# KiCad board LightRail_LPO_1.6T.kicad_pcb (continued)
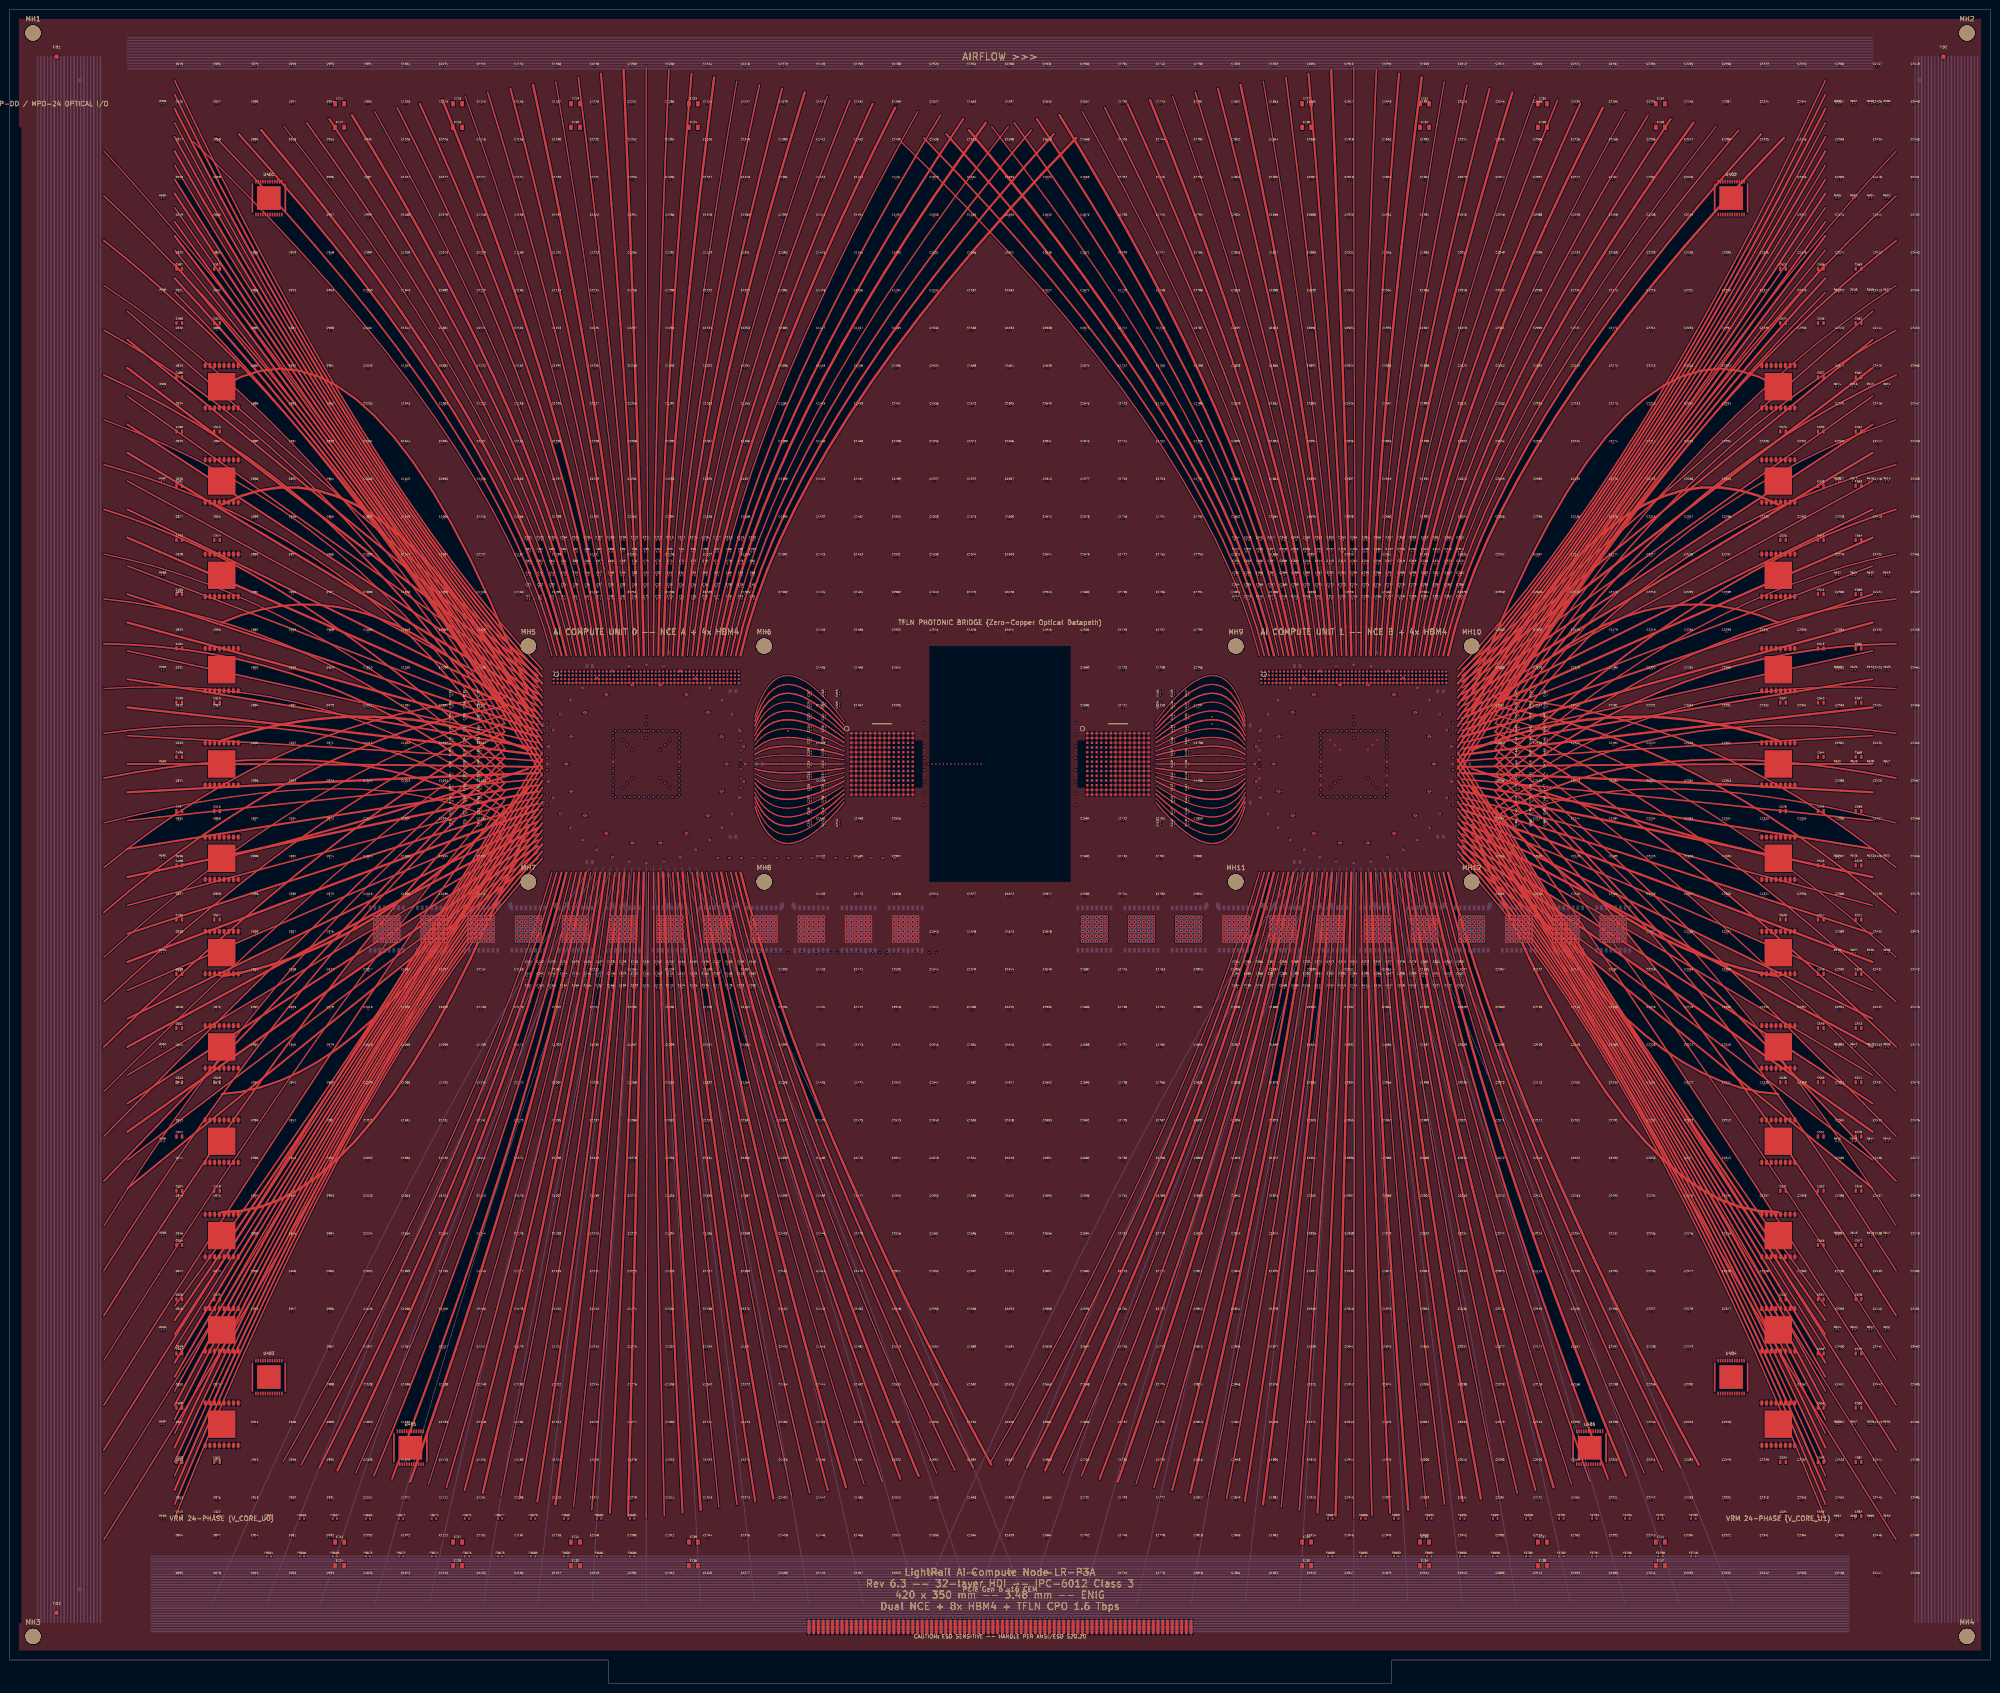
[diagram p0: board, top side]
## Routing (per net, layer and track width the routed paths; a pad name or vN(x,y) marks a point on that pad's centre or on a via; arc(x,y) is an arc through that point) (continued)
(no net): length 117315.3
  Top w0.2: 158,187 158.66,185.32 159.39,183.86 160.19,182.64 161.06,181.65 162,180.89 163.02,180.36 164.1,180.07 165.25,180 166.47,180.17 167.77,180.56 169.13,181.19 170.56,182.05 172.07,183.14 173.64,184.46 175.28,186.02 177,187.8 ; 243,198.6 244.72,199.49 246.36,200.27 247.93,200.93 249.44,201.47 250.87,201.91 252.23,202.22 253.53,202.42 254.75,202.5 255.9,202.47 256.98,202.32 258,202.06 258.94,201.68 259.81,201.18 260.61,200.57 261.34,199.84 262,199 ; 177,195.9 175.28,196.12 173.64,196.32 172.07,196.48 170.56,196.62 169.13,196.73 167.77,196.81 166.47,196.85 165.25,196.88 164.1,196.87 163.02,196.83 162,196.76 161.06,196.67 160.19,196.54 159.39,196.39 158.66,196.21 158,196 ; 262,202 261.34,203.47 260.61,204.75 259.81,205.81 258.94,206.68 258,207.35 256.98,207.81 255.9,208.07 254.75,208.12 253.53,207.98 252.23,207.63 250.87,207.08 249.44,206.33 247.93,205.38 246.36,204.22 244.72,202.86 243,201.3 ; 243,195.9 244.72,196.12 246.36,196.32 247.93,196.48 249.44,196.62 250.87,196.73 252.23,196.81 253.53,196.85 254.75,196.88 255.9,196.87 256.98,196.83 258,196.76 258.94,196.67 259.81,196.54 260.61,196.39 261.34,196.21 262,196 ; 262,205 261.34,207.1 260.61,208.92 259.81,210.45 258.94,211.69 258,212.64 256.98,213.3 255.9,213.67 254.75,213.75 253.53,213.54 252.23,213.05 250.87,212.26 249.44,211.19 247.93,209.82 246.36,208.17 244.72,206.23 243,204 ; 158,193 158.66,192.58 159.39,192.22 160.19,191.91 161.06,191.66 162,191.47 163.02,191.34 164.1,191.27 165.25,191.25 166.47,191.29 167.77,191.39 169.13,191.55 170.56,191.76 172.07,192.03 173.64,192.37 175.28,192.75 177,193.2 ; 158,190 158.66,188.95 159.39,188.04 160.19,187.28 161.06,186.66 162,186.18 163.02,185.85 164.1,185.67 165.25,185.62 166.47,185.73 167.77,185.98 169.13,186.37 170.56,186.91 172.07,187.59 173.64,188.41 175.28,189.38 177,190.5 ; 243,187.8 244.72,186.02 246.36,184.46 247.93,183.14 249.44,182.05 250.87,181.19 252.23,180.56 253.53,180.17 254.75,180 255.9,180.07 256.98,180.36 258,180.89 258.94,181.65 259.81,182.64 260.61,183.86 261.34,185.32 262,187 ; 177,204 175.28,206.23 173.64,208.17 172.07,209.82 170.56,211.19 169.13,212.26 167.77,213.05 166.47,213.54 165.25,213.75 164.1,213.67 163.02,213.3 162,212.64 161.06,211.69 160.19,210.45 159.39,208.92 158.66,207.1 158,205 ; 262,190 261.34,188.95 260.61,188.04 259.81,187.28 258.94,186.66 258,186.18 256.98,185.85 255.9,185.67 254.75,185.62 253.53,185.73 252.23,185.98 250.87,186.37 249.44,186.91 247.93,187.59 246.36,188.41 244.72,189.38 243,190.5 ; 243,193.2 244.72,192.75 246.36,192.37 247.93,192.03 249.44,191.76 250.87,191.55 252.23,191.39 253.53,191.29 254.75,191.25 255.9,191.27 256.98,191.34 258,191.47 258.94,191.66 259.81,191.91 260.61,192.22 261.34,192.58 262,193 ; 177,198.6 175.28,199.49 173.64,200.27 172.07,200.93 170.56,201.47 169.13,201.91 167.77,202.22 166.47,202.42 165.25,202.5 164.1,202.47 163.02,202.32 162,202.06 161.06,201.68 160.19,201.18 159.39,200.57 158.66,199.84 158,199 ; 158,202 158.66,203.47 159.39,204.75 160.19,205.81 161.06,206.68 162,207.35 163.02,207.81 164.1,208.07 165.25,208.12 166.47,207.98 167.77,207.63 169.13,207.08 170.56,206.33 172.07,205.38 173.64,204.22 175.28,202.86 177,201.3
  Top w0.25: 243,197.7 244.72,198.37 246.36,198.95 247.93,199.45 249.44,199.86 250.87,200.18 252.23,200.41 253.53,200.56 254.75,200.62 255.9,200.6 256.98,200.49 258,200.29 258.94,200.01 259.81,199.63 260.61,199.18 261.34,198.63 262,198 ; 20,125.5 26.48,131.91 32.81,138.09 38.98,144.04 45,149.75 50.86,155.23 56.56,160.47 62.11,165.48 67.5,170.25 72.73,174.79 77.81,179.09 82.73,183.16 87.5,187 92.11,190.6 96.56,193.97 100.86,197.1 105,200 ; 293.72,218 294.31,223.97 295.07,230.13 296,236.49 297.1,243.04 298.37,249.78 299.81,256.71 301.41,263.83 303.18,271.15 305.12,278.66 307.23,286.36 309.5,294.25 311.94,302.34 314.56,310.62 317.34,319.08 320.28,327.75 323.4,336.6 ; 177,189.6 175.28,188.26 173.64,187.1 172.07,186.1 170.56,185.29 169.13,184.64 167.77,184.17 166.47,183.87 165.25,183.75 164.1,183.8 163.02,184.02 162,184.42 161.06,184.99 160.19,185.73 159.39,186.65 158.66,187.74 158,189 ; 20,154 25.61,158.97 31.17,163.71 36.7,168.21 42.19,172.47 47.64,176.51 53.05,180.31 58.42,183.87 63.75,187.2 69.04,190.29 74.3,193.16 79.51,195.78 84.69,198.18 89.82,200.33 94.92,202.26 99.98,203.94 105,205.4 ; 119.6,37.4 120.63,47.61 121.62,57.57 122.58,67.3 123.49,76.79 124.36,86.04 125.2,95.05 126,103.82 126.75,112.35 127.47,120.64 128.15,128.7 128.79,136.51 129.39,144.09 129.96,151.42 130.48,158.52 130.96,165.38 131.41,172 ; 139.62,218 139.88,223.98 140.23,230.18 140.67,236.6 141.2,243.24 141.81,250.09 142.5,257.16 143.28,264.45 144.15,271.95 145.11,279.67 146.15,287.61 147.28,295.76 148.49,304.14 149.79,312.73 151.17,321.53 152.64,330.56 154.2,339.8 ; 265.8,339.8 267.36,330.56 268.84,321.53 270.25,312.73 271.58,304.14 272.82,295.76 274,287.61 275.09,279.67 276.1,271.95 277.04,264.45 277.9,257.16 278.68,250.09 279.38,243.24 280,236.6 280.55,230.18 281.02,223.98 281.41,218 ; 73.4,44.6 77.52,53.93 81.46,63.08 85.24,72.05 88.86,80.84 92.3,89.44 95.58,97.86 98.69,106.1 101.63,114.15 104.4,122.02 107,129.71 109.44,137.22 111.71,144.54 113.81,151.68 115.74,158.63 117.51,165.41 119.1,172 ; 227.4,333.4 232.08,324.93 236.52,316.63 240.71,308.5 244.66,300.54 248.37,292.74 251.84,285.11 255.07,277.65 258.05,270.35 260.79,263.22 263.29,256.26 265.55,249.47 267.56,242.84 269.34,236.38 270.87,230.08 272.16,223.96 273.2,218 ; 269.6,37.4 270.63,47.61 271.62,57.57 272.57,67.3 273.49,76.79 274.36,86.04 275.2,95.05 276,103.82 276.75,112.35 277.47,120.64 278.15,128.7 278.79,136.51 279.39,144.09 279.96,151.42 280.48,158.52 280.96,165.38 281.41,172 ; 20,268 26.78,265.39 33.36,262.56 39.75,259.48 45.94,256.18 51.93,252.63 57.73,248.86 63.34,244.84 68.75,240.6 73.97,236.12 78.98,231.41 83.81,226.46 88.44,221.28 92.87,215.86 97.11,210.21 101.15,204.32 105,198.2 ; 151.92,218 153.17,223.95 154.76,230.03 156.67,236.26 158.92,242.64 161.5,249.15 164.41,255.81 167.66,262.61 171.23,269.55 175.14,276.63 179.38,283.86 183.95,291.23 188.86,298.74 194.09,306.39 199.66,314.18 205.57,322.12 211.8,330.2 ; 400,268 393.22,265.39 386.64,262.56 380.25,259.48 374.06,256.18 368.07,252.63 362.27,248.86 356.66,244.84 351.25,240.6 346.04,236.12 341.02,231.41 336.19,226.46 331.56,221.28 327.13,215.86 322.89,210.21 318.85,204.32 315,198.2 ; 285.51,172 285.45,165.37 285.39,158.48 285.34,151.34 285.29,143.94 285.24,136.28 285.2,128.36 285.16,120.18 285.13,111.75 285.1,103.06 285.07,94.11 285.05,84.9 285.03,75.44 285.02,65.71 285.01,55.73 285,45.5 285,35 ; 400,296.5 394.1,292.45 388.28,288.17 382.54,283.65 376.88,278.9 371.29,273.91 365.78,268.69 360.35,263.24 355,257.55 349.73,251.63 344.53,245.47 339.41,239.08 334.38,232.45 329.41,225.59 324.53,218.49 319.73,211.16 315,203.6 ; 289.62,218 289.88,223.98 290.23,230.18 290.67,236.6 291.2,243.24 291.81,250.09 292.5,257.16 293.29,264.45 294.15,271.95 295.11,279.67 296.15,287.61 297.28,295.76 298.49,304.14 299.79,312.73 301.17,321.53 302.64,330.56 304.2,339.8 ; 119.1,218 117.73,223.95 116.03,230.03 114,236.26 111.66,242.64 108.99,249.15 105.99,255.81 102.67,262.61 99.03,269.55 95.06,276.63 90.76,283.86 86.15,291.23 81.21,298.74 75.94,306.39 70.35,314.18 64.44,322.12 58.2,330.2 ; 400,125.5 393.52,131.91 387.19,138.09 381.02,144.04 375,149.75 369.14,155.23 363.44,160.47 357.89,165.48 352.5,170.25 347.27,174.79 342.19,179.09 337.27,183.16 332.5,187 327.89,190.6 323.44,193.97 319.14,197.1 315,200 ; 277.31,172 276.48,165.39 275.57,158.56 274.57,151.51 273.5,144.24 272.34,136.75 271.1,129.03 269.78,121.1 268.38,112.95 266.89,104.58 265.32,95.98 263.68,87.17 261.94,78.14 260.13,68.88 258.24,59.41 256.26,49.71 254.2,39.8 ; v3(262,195) 243,195 ; 262,201 261.34,202.26 260.61,203.35 259.81,204.27 258.94,205.01 258,205.58 256.98,205.98 255.9,206.2 254.75,206.25 253.53,206.13 252.23,205.83 250.87,205.36 249.44,204.71 247.93,203.9 246.36,202.9 244.72,201.74 243,200.4 ; 315,194.6 320.61,190.26 326.17,185.68 331.7,180.87 337.19,175.82 342.64,170.54 348.05,165.03 353.42,159.28 358.75,153.3 364.04,147.08 369.3,140.63 374.51,133.94 379.69,127.03 384.82,119.87 389.92,112.48 394.98,104.86 400,97 ; 158,198 158.66,198.63 159.39,199.18 160.19,199.63 161.06,200.01 162,200.29 163.02,200.49 164.1,200.6 165.25,200.62 166.47,200.56 167.77,200.41 169.13,200.18 170.56,199.86 172.07,199.45 173.64,198.95 175.28,198.37 177,197.7 ; 20,211 26.19,211.28 32.27,211.33 38.22,211.15 44.06,210.72 49.78,210.07 55.39,209.18 60.88,208.06 66.25,206.7 71.5,205.11 76.64,203.28 81.66,201.22 86.56,198.93 91.35,196.4 96.02,193.63 100.57,190.63 105,187.4 ; 143.72,172 144.42,165.39 145.22,158.56 146.1,151.51 147.08,144.24 148.14,136.75 149.3,129.03 150.54,121.1 151.88,112.95 153.31,104.58 154.82,95.98 156.43,87.17 158.12,78.14 159.91,68.88 161.78,59.41 163.75,49.71 165.8,39.8 ; 105,189.2 100.27,183.41 95.47,177.39 90.59,171.14 85.62,164.65 80.59,157.93 75.47,150.97 70.27,143.78 65,136.35 59.65,128.69 54.22,120.79 48.71,112.66 43.12,104.3 37.46,95.7 31.72,86.87 25.9,77.8 20,68.5 ; v3(158,195) 177,195 ; 135,35 135,45.5 135.01,55.73 135.02,65.71 135.03,75.44 135.05,84.9 135.07,94.11 135.1,103.06 135.13,111.75 135.16,120.18 135.2,128.36 135.24,136.28 135.29,143.94 135.34,151.34 135.39,158.48 135.45,165.37 135.51,172 ; 158,192 158.66,191.37 159.39,190.82 160.19,190.37 161.06,189.99 162,189.71 163.02,189.51 164.1,189.4 165.25,189.38 166.47,189.44 167.77,189.59 169.13,189.82 170.56,190.14 172.07,190.55 173.64,191.05 175.28,191.63 177,192.3 ; 400,325 394.98,319.51 389.92,313.78 384.82,307.82 379.69,301.62 374.51,295.19 369.3,288.53 364.04,281.63 358.75,274.5 353.42,267.13 348.05,259.53 342.64,251.69 337.19,243.62 331.7,235.32 326.17,226.78 320.61,218.01 315,209 ; 20,97 25.02,104.86 30.08,112.48 35.18,119.87 40.31,127.03 45.49,133.94 50.7,140.63 55.96,147.08 61.25,153.3 66.58,159.28 71.95,165.03 77.36,170.54 82.81,175.82 88.3,180.87 93.83,185.68 99.39,190.26 105,194.6 ; 123.2,172 121.99,165.4 120.65,158.6 119.19,151.59 117.6,144.39 115.89,136.98 114.05,129.37 112.09,121.56 110,113.55 107.79,105.34 105.45,96.92 102.99,88.31 100.4,79.49 97.69,70.47 94.85,61.25 91.89,51.82 88.8,42.2 ; 20,325 25.02,319.51 30.08,313.78 35.18,307.82 40.31,301.62 45.49,295.19 50.7,288.53 55.96,281.63 61.25,274.5 66.58,267.13 71.95,259.53 77.36,251.69 82.81,243.62 88.3,235.32 93.83,226.78 99.39,218.01 105,209 ; 346.6,44.6 342.49,53.93 338.55,63.08 334.79,72.05 331.21,80.84 327.8,89.44 324.57,97.86 321.51,106.1 318.63,114.15 315.93,122.02 313.4,129.71 311.05,137.22 308.87,144.54 306.87,151.68 305.04,158.63 303.4,165.41 301.92,172 ; 173.4,336.6 170.28,327.75 167.34,319.08 164.56,310.62 161.94,302.34 159.5,294.25 157.23,286.36 155.12,278.66 153.18,271.15 151.41,263.83 149.81,256.71 148.37,249.78 147.1,243.04 146,236.49 145.07,230.13 144.31,223.97 143.72,218 ; 238.8,42.2 241.89,51.82 244.85,61.25 247.69,70.47 250.4,79.49 252.99,88.31 255.45,96.92 257.79,105.34 260,113.55 262.09,121.56 264.05,129.37 265.89,136.98 267.6,144.39 269.19,151.59 270.65,158.6 271.99,165.4 273.2,172 ; 285,343 285,333.37 285.01,323.98 285.02,314.84 285.03,305.94 285.05,297.28 285.07,288.86 285.1,280.68 285.13,272.75 285.16,265.06 285.2,257.61 285.24,250.4 285.29,243.44 285.34,236.72 285.39,230.23 285.45,224 285.51,218 ; 400,182.5 392.93,184.23 386.09,185.72 379.49,186.98 373.12,188 366.99,188.79 361.09,189.34 355.43,189.66 350,189.75 344.81,189.6 339.84,189.22 335.12,188.6 330.62,187.75 326.37,186.66 322.34,185.34 318.56,183.79 315,182 ; 115.8,339.8 117.36,330.56 118.84,321.53 120.25,312.73 121.58,304.14 122.82,295.76 124,287.61 125.09,279.67 126.1,271.95 127.04,264.45 127.9,257.16 128.68,250.09 129.38,243.24 130,236.6 130.55,230.18 131.02,223.98 131.41,218 ; 289.62,172 289.94,165.38 290.31,158.52 290.72,151.42 291.18,144.09 291.69,136.51 292.25,128.7 292.85,120.64 293.5,112.35 294.2,103.82 294.95,95.05 295.74,86.04 296.58,76.79 297.46,67.3 298.39,57.57 299.37,47.61 300.4,37.4 ; 127.31,218 126.59,223.97 125.71,230.13 124.67,236.49 123.47,243.04 122.11,249.78 120.59,256.71 118.92,263.83 117.08,271.15 115.08,278.66 112.92,286.36 110.6,294.25 108.12,302.34 105.48,310.62 102.68,319.08 99.72,327.75 96.6,336.6 ; 400,40 393.22,50.75 386.64,61.26 380.25,71.53 374.06,81.57 368.07,91.38 362.27,100.96 356.66,110.29 351.25,119.4 346.04,128.27 341.02,136.91 336.19,145.31 331.56,153.47 327.13,161.41 322.89,169.11 318.85,176.57 315,183.8 ; 127.31,172 126.48,165.39 125.57,158.56 124.57,151.51 123.5,144.24 122.34,136.75 121.1,129.03 119.78,121.1 118.38,112.95 116.89,104.58 115.33,95.98 113.67,87.17 111.94,78.14 110.13,68.88 108.24,59.41 106.26,49.71 104.2,39.8 ; 243,189.6 244.72,188.26 246.36,187.1 247.93,186.1 249.44,185.29 250.87,184.64 252.23,184.17 253.53,183.87 254.75,183.75 255.9,183.8 256.98,184.02 258,184.42 258.94,184.99 259.81,185.73 260.61,186.65 261.34,187.74 262,189 ; 177,203.1 175.28,205.11 173.64,206.85 172.07,208.34 170.56,209.57 169.13,210.54 167.77,211.24 166.47,211.69 165.25,211.88 164.1,211.8 163.02,211.47 162,210.87 161.06,210.02 160.19,208.9 159.39,207.53 158.66,205.9 158,204 ; 147.82,172 148.91,165.4 150.13,158.6 151.49,151.59 152.97,144.39 154.59,136.98 156.35,129.37 158.24,121.56 160.25,113.55 162.41,105.34 164.69,96.92 167.11,88.31 169.66,79.49 172.35,70.47 175.17,61.25 178.12,51.82 181.2,42.2 ; 269.1,218 267.73,223.95 266.03,230.03 264,236.26 261.66,242.64 258.99,249.15 255.99,255.81 252.67,262.61 249.03,269.55 245.06,276.63 240.76,283.86 236.15,291.23 231.21,298.74 225.94,306.39 220.35,314.18 214.44,322.12 208.2,330.2 ; 293.72,172 294.42,165.39 295.22,158.56 296.1,151.51 297.08,144.24 298.14,136.75 299.3,129.03 300.54,121.1 301.88,112.95 303.31,104.58 304.82,95.98 306.43,87.17 308.12,78.14 309.9,68.88 311.78,59.41 313.75,49.71 315.8,39.8 ; 158,201 158.66,202.26 159.39,203.35 160.19,204.27 161.06,205.01 162,205.58 163.02,205.98 164.1,206.2 165.25,206.25 166.47,206.13 167.77,205.83 169.13,205.36 170.56,204.71 172.07,203.9 173.64,202.9 175.28,201.74 177,200.4 ; 147.82,218 148.74,223.96 149.92,230.08 151.34,236.38 153.01,242.84 154.94,249.47 157.11,256.26 159.53,263.22 162.21,270.35 165.13,277.65 168.3,285.11 171.73,292.74 175.4,300.54 179.33,308.5 183.5,316.63 187.93,324.93 192.6,333.4 ; 20,296.5 25.9,292.45 31.72,288.17 37.46,283.65 43.12,278.9 48.71,273.91 54.22,268.69 59.65,263.24 65,257.55 70.27,251.63 75.47,245.47 80.59,239.08 85.62,232.45 90.59,225.59 95.47,218.49 100.27,211.16 105,203.6 ; 135.51,218 135.45,224 135.39,230.23 135.34,236.72 135.29,243.44 135.24,250.4 135.2,257.61 135.16,265.06 135.13,272.75 135.1,280.68 135.07,288.86 135.05,297.28 135.03,305.94 135.02,314.84 135.01,323.98 135,333.37 135,343 ; 150.4,37.4 149.37,47.61 148.39,57.57 147.46,67.3 146.58,76.79 145.74,86.04 144.95,95.05 144.2,103.82 143.5,112.35 142.85,120.64 142.25,128.7 141.69,136.51 141.18,144.09 140.72,151.42 140.31,158.52 139.94,165.38 139.62,172 ; 243,186.9 244.72,184.89 246.36,183.15 247.93,181.66 249.44,180.43 250.87,179.46 252.23,178.76 253.53,178.31 254.75,178.12 255.9,178.2 256.98,178.53 258,179.13 258.94,179.98 259.81,181.1 260.61,182.47 261.34,184.1 262,186 ; 265,172 263.02,165.42 260.83,158.67 258.43,151.76 255.81,144.69 252.99,137.45 249.95,130.05 246.71,122.48 243.25,114.75 239.58,106.85 235.7,98.8 231.61,90.57 227.31,82.19 222.8,73.64 218.08,64.92 213.15,56.04 208,47 ; 39,327 46.8,319.31 54.19,311.73 61.17,304.28 67.75,296.94 73.92,289.72 79.69,282.61 85.05,275.62 90,268.75 94.55,262 98.69,255.36 102.42,248.84 105.75,242.44 108.67,236.15 111.19,229.98 113.3,223.93 115,218 ; 158,186 158.66,184.1 159.39,182.47 160.19,181.1 161.06,179.98 162,179.13 163.02,178.53 164.1,178.2 165.25,178.12 166.47,178.31 167.77,178.76 169.13,179.46 170.56,180.43 172.07,181.66 173.64,183.15 175.28,184.89 177,186.9 ; 400,154 394.39,158.97 388.83,163.71 383.3,168.21 377.81,172.47 372.36,176.51 366.95,180.31 361.58,183.87 356.25,187.2 350.96,190.29 345.7,193.16 340.49,195.78 335.31,198.18 330.18,200.33 325.08,202.26 320.02,203.94 315,205.4 ; 246.6,336.6 249.72,327.75 252.68,319.08 255.48,310.62 258.12,302.34 260.6,294.25 262.92,286.36 265.08,278.66 267.08,271.15 268.92,263.83 270.6,256.71 272.11,249.78 273.47,243.04 274.67,236.49 275.71,230.13 276.59,223.97 277.31,218 ; 331.2,42.2 328.12,51.82 325.17,61.25 322.35,70.47 319.66,79.49 317.11,88.31 314.69,96.92 312.41,105.34 310.25,113.55 308.24,121.56 306.35,129.37 304.6,136.98 302.97,144.39 301.49,151.59 300.13,158.6 298.91,165.4 297.82,172 ; 20,239.5 25.31,238.34 30.62,236.94 35.94,235.31 41.25,233.45 46.56,231.35 51.88,229.02 57.19,226.45 62.5,223.65 67.81,220.61 73.12,217.34 78.44,213.84 83.75,210.1 89.06,206.13 94.38,201.92 99.69,197.48 105,192.8 ; 315,189.2 319.73,183.41 324.53,177.39 329.41,171.14 334.38,164.65 339.41,157.93 344.53,150.97 349.73,143.78 355,136.35 360.35,128.69 365.78,120.79 371.29,112.66 376.88,104.3 382.54,95.7 388.28,86.87 394.1,77.8 400,68.5 ; 262,192 261.34,191.37 260.61,190.82 259.81,190.37 258.94,189.99 258,189.71 256.98,189.51 255.9,189.4 254.75,189.38 253.53,189.44 252.23,189.59 250.87,189.82 249.44,190.14 247.93,190.55 246.36,191.05 244.72,191.63 243,192.3 ; 400,239.5 394.69,238.34 389.38,236.94 384.06,235.31 378.75,233.45 373.44,231.35 368.12,229.02 362.81,226.45 357.5,223.65 352.19,220.61 346.88,217.34 341.56,213.84 336.25,210.1 330.94,206.13 325.62,201.92 320.31,197.48 315,192.8 ; 105,183.8 101.15,176.57 97.11,169.11 92.87,161.41 88.44,153.47 83.81,145.31 78.98,136.91 73.97,128.27 68.75,119.4 63.34,110.29 57.73,100.96 51.93,91.38 45.94,81.57 39.75,71.53 33.36,61.26 26.78,50.75 20,40 ; 123.2,218 122.16,223.96 120.87,230.08 119.34,236.38 117.56,242.84 115.55,249.47 113.29,256.26 110.79,263.22 108.05,270.35 105.07,277.65 101.84,285.11 98.37,292.74 94.66,300.54 90.71,308.5 86.52,316.63 82.08,324.93 77.4,333.4 ; 361.8,330.2 355.57,322.12 349.66,314.18 344.1,306.39 338.86,298.74 333.95,291.23 329.38,283.86 325.14,276.63 321.23,269.55 317.65,262.61 314.41,255.81 311.5,249.15 308.92,242.64 306.67,236.26 304.76,230.03 303.17,223.95 301.92,218 ; 105,182 101.44,183.79 97.66,185.34 93.63,186.66 89.38,187.75 84.88,188.6 80.16,189.22 75.19,189.6 70,189.75 64.57,189.66 58.91,189.34 53.01,188.79 46.88,188 40.51,186.98 33.91,185.72 27.07,184.23 20,182.5 ; 342.6,333.4 337.93,324.93 333.5,316.63 329.33,308.5 325.4,300.54 321.73,292.74 318.3,285.11 315.13,277.65 312.2,270.35 309.53,263.22 307.11,256.26 304.94,249.47 303.01,242.84 301.34,236.38 299.92,230.08 298.74,223.96 297.82,218 ; 243,203.1 244.72,205.11 246.36,206.85 247.93,208.34 249.44,209.57 250.87,210.54 252.23,211.24 253.53,211.69 254.75,211.88 255.9,211.8 256.98,211.47 258,210.87 258.94,210.02 259.81,208.9 260.61,207.53 261.34,205.9 262,204 ; 265,218 263.3,223.93 261.19,229.98 258.67,236.15 255.75,242.44 252.42,248.84 248.69,255.36 244.55,262 240,268.75 235.05,275.62 229.69,282.61 223.92,289.72 217.75,296.94 211.17,304.28 204.19,311.73 196.8,319.31 189,327 ; 269.1,172 267.51,165.41 265.74,158.63 263.81,151.68 261.71,144.54 259.44,137.22 257,129.71 254.4,122.02 251.63,114.15 248.69,106.1 245.58,97.86 242.3,89.44 238.86,80.84 235.24,72.05 231.46,63.08 227.52,53.93 223.4,44.6 ; 315,187.4 319.43,190.63 323.98,193.63 328.65,196.4 333.44,198.93 338.34,201.22 343.36,203.28 348.5,205.11 353.75,206.7 359.12,208.06 364.61,209.18 370.21,210.07 375.94,210.72 381.78,211.15 387.73,211.33 393.81,211.28 400,211 ; 151.92,172 153.4,165.41 155.04,158.63 156.87,151.68 158.87,144.54 161.05,137.22 163.4,129.71 165.93,122.02 168.63,114.15 171.51,106.1 174.57,97.86 177.8,89.44 181.21,80.84 184.79,72.05 188.55,63.08 192.49,53.93 196.6,44.6
  Top w0.3: 385,304 380.01,297.84 375.03,291.61 370.07,285.31 365.12,278.94 360.19,272.5 355.28,265.98 350.38,259.4 345.5,252.75 340.63,246.03 335.78,239.23 330.94,232.37 326.12,225.44 321.32,218.43 316.53,211.36 311.76,204.22 307,197 ; 158,200 158.66,201.05 159.39,201.96 160.19,202.72 161.06,203.34 162,203.82 163.02,204.15 164.1,204.33 165.25,204.38 166.47,204.27 167.77,204.02 169.13,203.63 170.56,203.09 172.07,202.41 173.64,201.59 175.28,200.62 177,199.5 ; 113,192.5 108.24,200.22 103.47,207.77 98.68,215.15 93.88,222.34 89.06,229.37 84.22,236.21 79.37,242.88 74.5,249.38 69.62,255.69 64.72,261.84 59.8,267.8 54.88,273.59 49.93,279.21 44.97,284.65 39.99,289.91 35,295 ; 262,188 261.34,186.53 260.61,185.25 259.81,184.19 258.94,183.32 258,182.65 256.98,182.19 255.9,181.93 254.75,181.88 253.53,182.02 252.23,182.37 250.87,182.92 249.44,183.67 247.93,184.62 246.36,185.78 244.72,187.14 243,188.7 ; 113,197 108.24,204.22 103.47,211.36 98.68,218.43 93.88,225.44 89.06,232.37 84.22,239.23 79.37,246.03 74.5,252.75 69.62,259.4 64.72,265.98 59.8,272.5 54.88,278.94 49.93,285.31 44.97,291.61 39.99,297.84 35,304 ; 20,116 26.78,122.9 33.36,129.56 39.75,135.98 45.94,142.18 51.93,148.13 57.73,153.86 63.34,159.34 68.75,164.6 73.97,169.62 78.98,174.41 83.81,178.96 88.44,183.28 92.87,187.36 97.11,191.21 101.15,194.82 105,198.2 ; 105,207.2 99.69,215.73 94.38,224.02 89.06,232.08 83.75,239.9 78.44,247.49 73.12,254.84 67.81,261.96 62.5,268.85 57.19,275.5 51.88,281.92 46.56,288.1 41.25,294.05 35.94,299.76 30.62,305.24 25.31,310.49 20,315.5 ; 400,201.5 393.52,202.26 387.19,202.79 381.02,203.09 375,203.15 369.14,202.98 363.44,202.57 357.89,201.93 352.5,201.05 347.27,199.94 342.19,198.59 337.27,197.01 332.5,195.2 327.89,193.15 323.44,190.87 319.14,188.35 315,185.6 ; 158,197 158.66,197.42 159.39,197.78 160.19,198.09 161.06,198.34 162,198.53 163.02,198.66 164.1,198.73 165.25,198.75 166.47,198.71 167.77,198.61 169.13,198.45 170.56,198.24 172.07,197.97 173.64,197.63 175.28,197.25 177,196.8 ; 35,35 39.99,47.27 44.97,59.06 49.93,70.39 54.88,81.25 59.8,91.64 64.72,101.56 69.62,111.02 74.5,120 79.37,128.52 84.22,136.56 89.06,144.14 93.88,151.25 98.68,157.89 103.47,164.06 108.24,169.77 113,175 ; 113,197.5 108.24,189.72 103.47,181.99 98.68,174.33 93.88,166.72 89.06,159.17 84.22,151.68 79.37,144.25 74.5,136.88 69.62,129.56 64.72,122.31 59.8,115.11 54.88,107.97 49.93,100.89 44.97,93.87 39.99,86.9 35,80 ; 243,194.1 244.72,193.88 246.36,193.68 247.93,193.52 249.44,193.38 250.87,193.27 252.23,193.19 253.53,193.15 254.75,193.12 255.9,193.13 256.98,193.17 258,193.24 258.94,193.33 259.81,193.46 260.61,193.61 261.34,193.79 262,194 ; 400,116 393.22,122.9 386.64,129.56 380.25,135.98 374.06,142.18 368.07,148.13 362.27,153.86 356.66,159.34 351.25,164.6 346.04,169.62 341.02,174.41 336.19,178.96 331.56,183.28 327.13,187.36 322.89,191.21 318.85,194.82 315,198.2 ; 385,44 380.01,55.19 375.03,66.02 370.07,76.49 365.12,86.59 360.19,96.33 355.28,105.71 350.38,114.72 345.5,123.38 340.63,131.66 335.78,139.59 330.94,147.15 326.12,154.34 321.32,161.18 316.53,167.65 311.76,173.76 307,179.5 ; 113,215 108.24,220.18 103.47,225.7 98.68,231.58 93.88,237.81 89.06,244.39 84.22,251.33 79.37,258.61 74.5,266.25 69.62,274.24 64.72,282.58 59.8,291.27 54.88,300.31 49.93,309.71 44.97,319.45 39.99,329.55 35,340 ; 112,184.03 107.91,182.36 103.64,180.6 99.19,178.76 94.56,176.83 89.75,174.82 84.77,172.72 79.6,170.53 74.25,168.26 68.72,165.9 63.02,163.46 57.13,160.93 51.06,158.31 44.82,155.61 38.39,152.83 31.79,149.96 25,147 ; 385,313 380.01,305.77 375.03,298.57 370.07,291.41 365.12,284.28 360.19,277.19 355.28,270.13 350.38,263.11 345.5,256.12 340.63,249.17 335.78,242.26 330.94,235.38 326.12,228.53 321.32,221.72 316.53,214.94 311.76,208.21 307,201.5 ; 308,199.52 312.09,200.47 316.36,201.46 320.81,202.48 325.44,203.54 330.25,204.63 335.23,205.76 340.4,206.93 345.75,208.13 351.28,209.36 356.98,210.63 362.87,211.94 368.94,213.28 375.18,214.66 381.61,216.07 388.21,217.52 395,219 ; 35,322 39.99,313.69 44.97,305.53 49.93,297.51 54.88,289.62 59.8,281.88 64.72,274.28 69.62,266.82 74.5,259.5 79.37,252.32 84.22,245.28 89.06,238.38 93.88,231.62 98.68,225.01 103.47,218.53 108.24,212.19 113,206 ; 307,192.5 311.76,200.22 316.53,207.77 321.32,215.15 326.12,222.34 330.94,229.37 335.78,236.21 340.63,242.88 345.5,249.38 350.38,255.69 355.28,261.84 360.19,267.8 365.12,273.59 370.07,279.21 375.03,284.65 380.01,289.91 385,295 ; 315,203.6 319.73,201.66 324.53,199.49 329.41,197.09 334.38,194.45 339.41,191.58 344.53,188.47 349.73,185.13 355,181.55 360.35,177.74 365.78,173.69 371.29,169.41 376.88,164.9 382.54,160.15 388.28,155.17 394.1,149.95 400,144.5 ; 25,201 31.79,200.63 38.39,200.26 44.82,199.9 51.06,199.54 57.13,199.19 63.02,198.84 68.72,198.5 74.25,198.16 79.6,197.83 84.77,197.5 89.75,197.18 94.56,196.86 99.19,196.55 103.64,196.24 107.91,195.94 112,195.65 ; 395,201 388.21,200.63 381.61,200.26 375.18,199.9 368.94,199.54 362.87,199.19 356.98,198.84 351.28,198.5 345.75,198.16 340.4,197.83 335.23,197.5 330.25,197.18 325.44,196.86 320.81,196.55 316.36,196.24 312.09,195.94 308,195.65 ; 20,287 26.19,283.43 32.27,279.63 38.22,275.6 44.06,271.32 49.78,266.82 55.39,262.08 60.88,257.11 66.25,251.9 71.5,246.46 76.64,240.78 81.66,234.87 86.56,228.72 91.35,222.34 96.02,215.73 100.57,208.88 105,201.8 ; 400,173 394.98,177.01 389.92,180.78 384.82,184.32 379.69,187.62 374.51,190.69 369.3,193.53 364.04,196.13 358.75,198.5 353.42,200.63 348.05,202.53 342.64,204.19 337.19,205.62 331.7,206.82 326.17,207.78 320.61,208.51 315,209 ; 112,211.13 107.91,214.05 103.64,217.1 99.19,220.27 94.56,223.57 89.75,227 84.77,230.55 79.6,234.23 74.25,238.03 68.72,241.96 63.02,246.02 57.13,250.2 51.06,254.51 44.82,258.94 38.39,263.5 31.79,268.19 25,273 ; 105,191 99.98,195.19 94.92,199.16 89.82,202.88 84.69,206.38 79.51,209.63 74.3,212.66 69.04,215.44 63.75,218 58.42,220.32 53.05,222.41 47.64,224.26 42.19,225.88 36.7,227.26 31.17,228.41 25.61,229.32 20,230 ; 35,53 39.99,63.12 44.97,72.98 49.93,82.59 54.88,91.94 59.8,101.03 64.72,109.86 69.62,118.43 74.5,126.75 79.37,134.81 84.22,142.61 89.06,150.15 93.88,157.44 98.68,164.47 103.47,171.23 108.24,177.75 113,184 ; 158,188 158.66,186.53 159.39,185.25 160.19,184.19 161.06,183.32 162,182.65 163.02,182.19 164.1,181.93 165.25,181.88 166.47,182.02 167.77,182.37 169.13,182.92 170.56,183.67 172.07,184.62 173.64,185.78 175.28,187.14 177,188.7 ; 105,187.4 100.57,181.13 96.02,174.63 91.35,167.9 86.56,160.93 81.66,153.72 76.64,146.28 71.5,138.61 66.25,130.7 60.88,122.56 55.39,114.18 49.78,105.57 44.06,96.73 38.22,87.64 32.27,78.33 26.19,68.78 20,59 ; 385,322 380.01,313.69 375.03,305.53 370.07,297.51 365.12,289.62 360.19,281.88 355.28,274.28 350.38,266.82 345.5,259.5 340.63,252.32 335.78,245.28 330.94,238.38 326.12,231.62 321.32,225.01 316.53,218.53 311.76,212.19 307,206 ; 308,215 312.09,218.58 316.36,222.31 320.81,226.2 325.44,230.25 330.25,234.45 335.23,238.81 340.4,243.33 345.75,248 351.28,252.83 356.98,257.81 362.87,262.95 368.94,268.25 375.18,273.7 381.61,279.31 388.21,285.08 395,291 ; 400,315.5 394.69,310.49 389.38,305.24 384.06,299.76 378.75,294.05 373.44,288.1 368.12,281.92 362.81,275.5 357.5,268.85 352.19,261.96 346.88,254.84 341.56,247.49 336.25,239.9 330.94,232.08 325.62,224.02 320.31,215.73 315,207.2 ; 25,237 31.79,234.41 38.39,231.88 44.82,229.42 51.06,227.02 57.13,224.69 63.02,222.43 68.72,220.23 74.25,218.1 79.6,216.03 84.77,214.03 89.75,212.09 94.56,210.22 99.19,208.41 103.64,206.67 107.91,205 112,203.39 ; 177,202.2 175.28,203.98 173.64,205.54 172.07,206.86 170.56,207.95 169.13,208.81 167.77,209.44 166.47,209.83 165.25,210 164.1,209.93 163.02,209.64 162,209.11 161.06,208.35 160.19,207.36 159.39,206.14 158.66,204.68 158,203 ; 395,237 388.21,234.41 381.61,231.88 375.18,229.42 368.94,227.02 362.87,224.69 356.98,222.43 351.28,220.23 345.75,218.1 340.4,216.03 335.23,214.03 330.25,212.09 325.44,210.22 320.81,208.41 316.36,206.67 312.09,205 308,203.39 ; 35,331 39.99,321.62 44.97,312.49 49.93,303.61 54.88,294.97 59.8,286.58 64.72,278.43 69.62,270.53 74.5,262.88 79.37,255.47 84.22,248.31 89.06,241.39 93.88,234.72 98.68,228.3 103.47,222.12 108.24,216.19 113,210.5 ; 25,255 31.79,251.3 38.39,247.69 44.82,244.18 51.06,240.77 57.13,237.45 63.02,234.22 68.72,231.1 74.25,228.06 79.6,225.13 84.77,222.29 89.75,219.54 94.56,216.9 99.19,214.34 103.64,211.88 107.91,209.52 112,207.26 ; 243,202.2 244.72,203.98 246.36,205.54 247.93,206.86 249.44,207.95 250.87,208.81 252.23,209.44 253.53,209.83 254.75,210 255.9,209.93 256.98,209.64 258,209.11 258.94,208.35 259.81,207.36 260.61,206.14 261.34,204.68 262,203 ; 315,187.4 319.43,181.13 323.98,174.63 328.65,167.9 333.44,160.93 338.34,153.72 343.36,146.28 348.5,138.61 353.75,130.7 359.12,122.56 364.61,114.18 370.21,105.57 375.94,96.73 381.78,87.64 387.73,78.33 393.81,68.78 400,59 ; 315,191 320.02,195.19 325.08,199.16 330.18,202.88 335.31,206.38 340.49,209.63 345.7,212.66 350.96,215.44 356.25,218 361.58,220.32 366.95,222.41 372.36,224.26 377.81,225.88 383.3,227.26 388.83,228.41 394.39,229.32 400,230 ; 105,185.6 100.86,188.35 96.56,190.87 92.11,193.15 87.5,195.2 82.73,197.01 77.81,198.59 72.73,199.94 67.5,201.05 62.11,201.93 56.56,202.57 50.86,202.98 45,203.15 38.98,203.09 32.81,202.79 26.48,202.26 20,201.5 ; 158,191 158.66,190.16 159.39,189.43 160.19,188.82 161.06,188.32 162,187.94 163.02,187.68 164.1,187.53 165.25,187.5 166.47,187.58 167.77,187.78 169.13,188.09 170.56,188.53 172.07,189.07 173.64,189.73 175.28,190.51 177,191.4 ; 385,71 380.01,78.98 375.03,86.91 370.07,94.79 365.12,102.62 360.19,110.41 355.28,118.16 350.38,125.85 345.5,133.5 340.63,141.1 335.78,148.66 330.94,156.16 326.12,163.62 321.32,171.04 316.53,178.41 311.76,185.73 307,193 ; 385,53 380.01,63.12 375.03,72.98 370.07,82.59 365.12,91.94 360.19,101.03 355.28,109.86 350.38,118.43 345.5,126.75 340.63,134.81 335.78,142.61 330.94,150.15 326.12,157.44 321.32,164.47 316.53,171.23 311.76,177.75 307,184 ; 35,71 39.99,78.98 44.97,86.91 49.93,94.79 54.88,102.62 59.8,110.41 64.72,118.16 69.62,125.85 74.5,133.5 79.37,141.1 84.22,148.66 89.06,156.16 93.88,163.62 98.68,171.04 103.47,178.41 108.24,185.73 113,193 ; 395,183 388.21,183.74 381.61,184.45 375.18,185.14 368.94,185.8 362.87,186.44 356.98,187.05 351.28,187.63 345.75,188.19 340.4,188.73 335.23,189.24 330.25,189.72 325.44,190.19 320.81,190.62 316.36,191.03 312.09,191.41 308,191.77 ; 112,215 107.91,218.58 103.64,222.31 99.19,226.2 94.56,230.25 89.75,234.45 84.77,238.81 79.6,243.33 74.25,248 68.72,252.83 63.02,257.81 57.13,262.95 51.06,268.25 44.82,273.7 38.39,279.31 31.79,285.08 25,291 ; 315,201.8 319.43,208.88 323.98,215.73 328.65,222.34 333.44,228.72 338.34,234.87 343.36,240.78 348.5,246.46 353.75,251.9 359.12,257.11 364.61,262.08 370.21,266.82 375.94,271.32 381.78,275.6 387.73,279.63 393.81,283.43 400,287 ; 105,192.8 99.69,187.98 94.38,182.92 89.06,177.63 83.75,172.1 78.44,166.34 73.12,160.34 67.81,154.11 62.5,147.65 57.19,140.95 51.88,134.02 46.56,126.85 41.25,119.45 35.94,111.81 30.62,103.94 25.31,95.84 20,87.5 ; 262,191 261.34,190.16 260.61,189.43 259.81,188.82 258.94,188.32 258,187.94 256.98,187.68 255.9,187.53 254.75,187.5 253.53,187.58 252.23,187.78 250.87,188.09 249.44,188.53 247.93,189.07 246.36,189.73 244.72,190.51 243,191.4 ; 35,62 39.99,71.05 44.97,79.94 49.93,88.69 54.88,97.28 59.8,105.72 64.72,114.01 69.62,122.14 74.5,130.12 79.37,137.96 84.22,145.63 89.06,153.16 93.88,160.53 98.68,167.75 103.47,174.82 108.24,181.74 113,188.5 ; 262,197 261.34,197.42 260.61,197.78 259.81,198.09 258.94,198.34 258,198.53 256.98,198.66 255.9,198.73 254.75,198.75 253.53,198.71 252.23,198.61 250.87,198.45 249.44,198.24 247.93,197.97 246.36,197.63 244.72,197.25 243,196.8 ; 25,129 31.79,133.07 38.39,137.02 44.82,140.85 51.06,144.57 57.13,148.18 63.02,151.66 68.72,155.03 74.25,158.29 79.6,161.43 84.77,164.45 89.75,167.36 94.56,170.15 99.19,172.83 103.64,175.39 107.91,177.83 112,180.16 ; 307,210.5 311.76,216.19 316.53,222.12 321.32,228.3 326.12,234.72 330.94,241.39 335.78,248.31 340.63,255.47 345.5,262.88 350.38,270.53 355.28,278.43 360.19,286.58 365.12,294.97 370.07,303.61 375.03,312.49 380.01,321.62 385,331 ; 20,30.5 27.07,41.73 33.91,52.72 40.51,63.48 46.88,74 53.01,84.29 58.91,94.34 64.57,104.16 70,113.75 75.19,123.1 80.16,132.22 84.88,141.1 89.38,149.75 93.63,158.16 97.66,166.34 101.44,174.29 105,182 ; 385,80 380.01,86.9 375.03,93.87 370.07,100.89 365.12,107.97 360.19,115.11 355.28,122.31 350.38,129.56 345.5,136.88 340.63,144.25 335.78,151.68 330.94,159.17 326.12,166.72 321.32,174.33 316.53,181.99 311.76,189.72 307,197.5 ; 308,207.26 312.09,209.52 316.36,211.88 320.81,214.34 325.44,216.9 330.25,219.54 335.23,222.29 340.4,225.13 345.75,228.06 351.28,231.1 356.98,234.22 362.87,237.45 368.94,240.77 375.18,244.18 381.61,247.69 388.21,251.3 395,255 ; 105,196.4 101.44,202.04 97.66,207.44 93.63,212.61 89.38,217.55 84.88,222.25 80.16,226.72 75.19,230.95 70,234.95 64.57,238.71 58.91,242.24 53.01,245.54 46.88,248.6 40.51,251.43 33.91,254.02 27.07,256.38 20,258.5 ; 105,209 99.39,208.51 93.83,207.78 88.3,206.82 82.81,205.62 77.36,204.19 71.95,202.53 66.58,200.63 61.25,198.5 55.96,196.13 50.7,193.53 45.49,190.69 40.31,187.62 35.18,184.32 30.08,180.78 25.02,177.01 20,173 ; 25,165 31.79,166.85 38.39,168.64 44.82,170.38 51.06,172.06 57.13,173.68 63.02,175.25 68.72,176.77 74.25,178.23 79.6,179.63 84.77,180.98 89.75,182.27 94.56,183.51 99.19,184.69 103.64,185.82 107.91,186.89 112,187.9 ; 395,165 388.21,166.85 381.61,168.64 375.18,170.38 368.94,172.06 362.87,173.68 356.98,175.25 351.28,176.77 345.75,178.23 340.4,179.63 335.23,180.98 330.25,182.27 325.44,183.51 320.81,184.69 316.36,185.82 312.09,186.89 308,187.9 ; 307,175 311.76,169.77 316.53,164.06 321.32,157.89 326.12,151.25 330.94,144.14 335.78,136.56 340.63,128.52 345.5,120 350.38,111.02 355.28,101.56 360.19,91.64 365.12,81.25 370.07,70.39 375.03,59.06 380.01,47.27 385,35 ; 315,196.4 318.56,202.04 322.34,207.44 326.37,212.61 330.62,217.55 335.12,222.25 339.84,226.72 344.81,230.95 350,234.95 355.43,238.71 361.09,242.24 366.99,245.54 373.12,248.6 379.49,251.43 386.09,254.02 392.93,256.38 400,258.5 ; 400,30.5 392.93,41.73 386.09,52.72 379.49,63.48 373.12,74 366.99,84.29 361.09,94.34 355.43,104.16 350,113.75 344.81,123.1 339.84,132.22 335.12,141.1 330.62,149.75 326.37,158.16 322.34,166.34 318.56,174.29 315,182 ; 113,201.5 108.24,208.21 103.47,214.94 98.68,221.72 93.88,228.53 89.06,235.38 84.22,242.26 79.37,249.17 74.5,256.12 69.62,263.11 64.72,270.13 59.8,277.19 54.88,284.28 49.93,291.41 44.97,298.57 39.99,305.77 35,313 ; 35,44 39.99,55.19 44.97,66.02 49.93,76.49 54.88,86.59 59.8,96.33 64.72,105.71 69.62,114.72 74.5,123.38 79.37,131.66 84.22,139.59 89.06,147.15 93.88,154.34 98.68,161.18 103.47,167.65 108.24,173.76 113,179.5 ; 25,111 31.79,116.18 38.39,121.21 44.82,126.09 51.06,130.83 57.13,135.42 63.02,139.87 68.72,144.17 74.25,148.32 79.6,152.33 84.77,156.19 89.75,159.91 94.56,163.48 99.19,166.9 103.64,170.18 107.91,173.31 112,176.29 ; 307,215 311.76,220.18 316.53,225.7 321.32,231.58 326.12,237.81 330.94,244.39 335.78,251.33 340.63,258.61 345.5,266.25 350.38,274.24 355.28,282.58 360.19,291.27 365.12,300.31 370.07,309.71 375.03,319.45 380.01,329.55 385,340 ; 400,87.5 394.69,95.84 389.38,103.94 384.06,111.81 378.75,119.45 373.44,126.85 368.12,134.02 362.81,140.95 357.5,147.65 352.19,154.11 346.88,160.34 341.56,166.34 336.25,172.1 330.94,177.63 325.62,182.92 320.31,187.98 315,192.8 ; 112,199.52 107.91,200.47 103.64,201.46 99.19,202.48 94.56,203.54 89.75,204.63 84.77,205.76 79.6,206.93 74.25,208.13 68.72,209.36 63.02,210.63 57.13,211.94 51.06,213.28 44.82,214.66 38.39,216.07 31.79,217.52 25,219 ; 395,111 388.21,116.18 381.61,121.21 375.18,126.09 368.94,130.83 362.87,135.42 356.98,139.87 351.28,144.17 345.75,148.32 340.4,152.33 335.23,156.19 330.25,159.91 325.44,163.48 320.81,166.9 316.36,170.18 312.09,173.31 308,176.29 ; 307,188.5 311.76,181.74 316.53,174.82 321.32,167.75 326.12,160.53 330.94,153.16 335.78,145.63 340.63,137.96 345.5,130.12 350.38,122.14 355.28,114.01 360.19,105.72 365.12,97.28 370.07,88.69 375.03,79.94 380.01,71.05 385,62 ; 308,184.03 312.09,182.36 316.36,180.6 320.81,178.76 325.44,176.83 330.25,174.82 335.23,172.72 340.4,170.53 345.75,168.26 351.28,165.9 356.98,163.46 362.87,160.93 368.94,158.31 375.18,155.61 381.61,152.83 388.21,149.96 395,147 ; 25,183 31.79,183.74 38.39,184.45 44.82,185.14 51.06,185.8 57.13,186.44 63.02,187.05 68.72,187.63 74.25,188.19 79.6,188.73 84.77,189.24 89.75,189.72 94.56,190.19 99.19,190.62 103.64,191.03 107.91,191.41 112,191.77 ; 177,194.1 175.28,193.88 173.64,193.68 172.07,193.52 170.56,193.38 169.13,193.27 167.77,193.19 166.47,193.15 165.25,193.12 164.1,193.13 163.02,193.17 162,193.24 161.06,193.33 160.19,193.46 159.39,193.61 158.66,193.79 158,194 ; 105,203.6 100.27,201.66 95.47,199.49 90.59,197.09 85.62,194.45 80.59,191.58 75.47,188.47 70.27,185.13 65,181.55 59.65,177.74 54.22,173.69 48.71,169.41 43.12,164.9 37.46,160.15 31.72,155.17 25.9,149.95 20,144.5 ; 243,199.5 244.72,200.62 246.36,201.59 247.93,202.41 249.44,203.09 250.87,203.63 252.23,204.02 253.53,204.27 254.75,204.38 255.9,204.33 256.98,204.15 258,203.82 258.94,203.34 259.81,202.72 260.61,201.96 261.34,201.05 262,200 ; 395,129 388.21,133.07 381.61,137.02 375.18,140.85 368.94,144.57 362.87,148.18 356.98,151.66 351.28,155.03 345.75,158.29 340.4,161.43 335.23,164.45 330.25,167.36 325.44,170.15 320.81,172.83 316.36,175.39 312.09,177.83 308,180.16 ; 308,211.13 312.09,214.05 316.36,217.1 320.81,220.27 325.44,223.57 330.25,227 335.23,230.55 340.4,234.23 345.75,238.03 351.28,241.96 356.98,246.02 362.87,250.2 368.94,254.51 375.18,258.94 381.61,263.5 388.21,268.19 395,273